# Allegro board 8880F5-0826_3.brd (continued)
## Routing (per net, layer and track width the routed paths; a pad name or vN(x,y) marks a point on that pad's centre or on a via; arc(x,y) is an arc through that point) (continued)
; 189.69,58.42 D119.B13 ; D119.B13 191.31,58.42 ; D119.B13 190.5,57.61 ; D119.B13 190.5,59.23 ; D116.A14 314.96,394.51 ; D116.A14 315.77,393.7 ; D116.A14 314.15,393.7 ; D116.A14 314.96,392.89 ; D106.A10 404.67,76.2 ; D106.A10 403.05,76.2 ; D106.A10 403.86,75.39 ; D106.A10 403.86,77.01 ; 93.17,81.28 D130.B4 ; D130.B4 93.98,80.47 ; D130.B4 94.79,81.28 ; D130.B4 93.98,82.09 ; 266.7,65.33 D322.A14 ; D322.A14 267.41,66.04 ; D322.A14 266.7,66.75 ; D322.A14 265.99,66.04 ; 329.49,91.44 D301.B10 ; D301.B10 330.2,90.73 ; D301.B10 330.2,92.15 ; D301.B10 330.91,91.44 ; 169.37,330.2 CSDPS229.C13 ; CSDPS229.C13 170.99,330.2 ; CSDPS229.C13 170.18,331.01 ; CSDPS229.C13 170.18,329.39 ; 258.27,340.36 CSDPS425.C7 ; CSDPS425.C7 259.89,340.36 ; CSDPS425.C7 259.08,341.17 ; CSDPS425.C7 259.08,339.55 ; D115.B6 335.28,369.11 ; D115.B6 334.47,368.3 ; D115.B6 336.09,368.3 ; D115.B6 335.28,367.49 ; 93.98,100.79 D129.B4 ; D129.B4 93.98,102.41 ; D129.B4 94.79,101.6 ; D129.B4 93.17,101.6 ; D114.A11 323.39,355.6 ; D114.A11 321.77,355.6 ; D114.A11 322.58,356.41 ; D114.A11 322.58,354.79 ; 398.78,55.07 D107.A8 ; D107.A8 397.97,55.88 ; D107.A8 399.59,55.88 ; D107.A8 398.78,56.69 ; D322.A6 247.09,66.04 ; D322.A6 245.67,66.04 ; D322.A6 246.38,65.33 ; D322.A6 246.38,66.75 ; 190.5,52.53 D119.A13 ; D119.A13 189.69,53.34 ; D119.A13 191.31,53.34 ; D119.A13 190.5,54.15 ; 249.85,241.33 SITE1.G3 ; SITE1.G3 250.81,241.33 ; SITE1.G3 250.33,241.81 ; SITE1.G3 250.33,240.85 ; 93.98,39.83 D132.B4 ; D132.B4 93.98,41.45 ; D132.B4 93.17,40.64 ; D132.B4 94.79,40.64 ; D305.B1 381.71,88.9 ; D305.B1 381,89.61 ; D305.B1 380.29,88.9 ; D305.B1 381,88.19 ; D108.A7 396.24,33.83 ; D108.A7 395.43,33.02 ; D108.A7 396.24,32.21 ; D108.A7 397.05,33.02 ; 324.31,60.96 D103.B8 ; D103.B8 325.12,60.15 ; D103.B8 325.93,60.96 ; D103.B8 325.12,61.77 ; 388.62,70.41 D306.B4 ; D306.B4 389.33,71.12 ; D306.B4 388.62,71.83 ; D306.B4 387.91,71.12 ; SITE1.G20 253.11,246.43 ; SITE1.G20 252.63,246.91 ; SITE1.G20 252.15,246.43 ; SITE1.G20 252.63,245.95 ; D130.B6 99.06,82.09 ; D130.B6 99.06,80.47 ; D130.B6 98.25,81.28 ; D130.B6 99.87,81.28 ; D305.B4 388.62,92.15 ; D305.B4 388.62,90.73 ; D305.B4 387.91,91.44 ; D305.B4 389.33,91.44 ; D108.A8 398.78,36.37 ; D108.A8 397.97,35.56 ; D108.A8 399.59,35.56 ; D108.A8 398.78,34.75 ; CSDPS229.C1 201.47,330.2 ; CSDPS229.C1 199.85,330.2 ; CSDPS229.C1 200.66,331.01 ; CSDPS229.C1 200.66,329.39 ; D125.B9 33.02,99.87 ; D125.B9 33.83,99.06 ; D125.B9 33.02,98.25 ; D125.B9 32.21,99.06 ; 335.28,75.39 D102.A12 ; D102.A12 336.09,76.2 ; D102.A12 334.47,76.2 ; D102.A12 335.28,77.01 ; D102.B5 317.5,79.55 ; D102.B5 318.31,78.74 ; D102.B5 316.69,78.74 ; D102.B5 317.5,77.93 ; D132.A15 121.92,33.83 ; D132.A15 121.92,32.21 ; D132.A15 122.73,33.02 ; D132.A15 121.11,33.02 ; 416.56,395.43 D112.A3 ; D112.A3 417.37,396.24 ; D112.A3 416.56,397.05 ; D112.A3 415.75,396.24 ; D115.B16 310.69,368.3 ; D115.B16 309.88,367.49 ; D115.B16 309.07,368.3 ; D115.B16 309.88,369.11 ; 416.56,375.11 D111.A3 ; D111.A3 417.37,375.92 ; D111.A3 416.56,376.73 ; D111.A3 415.75,375.92 ; D322.A1 233.68,64.21 ; D322.A1 232.97,63.5 ; D322.A1 234.39,63.5 ; D322.A1 233.68,62.79 ; D306.B1 381,69.29 ; D306.B1 381,67.87 ; D306.B1 380.29,68.58 ; D306.B1 381.71,68.58 ; 250.85,247.93 SITE1.G10 ; SITE1.G10 251.81,247.93 ; SITE1.G10 251.33,247.45 ; SITE1.G10 251.33,248.41 ; D125.A6 25.4,97.33 ; D125.A6 26.21,96.52 ; D125.A6 25.4,95.71 ; D125.A6 24.59,96.52 ; D109.B15 386.89,330.2 ; D109.B15 385.27,330.2 ; D109.B15 386.08,331.01 ; D109.B15 386.08,329.39 ; 251.43,185.95 SITE3.G19 ; SITE3.G19 251.43,186.91 ; SITE3.G19 250.95,186.43 ; SITE3.G19 251.91,186.43 ; D110.A13 391.97,355.6 ; D110.A13 391.16,356.41 ; D110.A13 390.35,355.6 ; D110.A13 391.16,354.79 ; D126.B12 41.45,81.28 ; D126.B12 40.64,82.09 ; D126.B12 39.83,81.28 ; D126.B12 40.64,80.47 ; 391.16,57.61 D107.B5 ; D107.B5 391.97,58.42 ; D107.B5 390.35,58.42 ; D107.B5 391.16,59.23 ; 327.66,72.85 D102.A9 ; D102.A9 327.66,74.47 ; D102.A9 326.85,73.66 ; D102.A9 328.47,73.66 ; 248.55,242.83 SITE1.G13 ; SITE1.G13 249.03,243.31 ; SITE1.G13 249.03,242.35 ; SITE1.G13 249.51,242.83 ; D113.B15 313.23,330.2 ; D113.B15 312.42,331.01 ; D113.B15 312.42,329.39 ; D113.B15 311.61,330.2 ; 47.45,58.42 D127.B15 ; D127.B15 48.26,59.23 ; D127.B15 48.26,57.61 ; D127.B15 49.07,58.42 ; 391.16,390.35 D112.B13 ; D112.B13 390.35,391.16 ; D112.B13 391.97,391.16 ; D112.B13 391.16,391.97 ; D124.A7 248.92,33.83 ; D124.A7 249.73,33.02 ; D124.A7 248.92,32.21 ; D124.A7 248.11,33.02 ; D321.A10 256.54,87.07 ; D321.A10 256.54,85.65 ; D321.A10 257.25,86.36 ; D321.A10 255.83,86.36 ; 159.31,63.5 D318.A1 ; D318.A1 160.73,63.5 ; D318.A1 160.02,64.21 ; D318.A1 160.02,62.79 ; D128.B8 31.29,40.64 ; D128.B8 30.48,41.45 ; D128.B8 30.48,39.83 ; D128.B8 29.67,40.64 ; 269.24,57.61 D123.B15 ; D123.B15 270.05,58.42 ; D123.B15 269.24,59.23 ; D123.B15 268.43,58.42 ; 111.76,37.29 D132.B11 ; D132.B11 112.57,38.1 ; D132.B11 111.76,38.91 ; D132.B11 110.95,38.1 ; D231.A4 193.04,374.19 ; D231.A4 192.23,373.38 ; D231.A4 193.04,372.57 ; D231.A4 193.85,373.38 ; D128.B3 17.78,38.91 ; D128.B3 17.78,37.29 ; D128.B3 18.59,38.1 ; D128.B3 16.97,38.1 ; D109.B16 384.35,327.66 ; D109.B16 383.54,326.85 ; D109.B16 382.73,327.66 ; D109.B16 383.54,328.47 ; 330.2,387.81 D116.B8 ; D116.B8 331.01,388.62 ; D116.B8 329.39,388.62 ; D116.B8 330.2,389.43 ; D431.A4 193.04,384.35 ; D431.A4 192.23,383.54 ; D431.A4 193.85,383.54 ; D431.A4 193.04,382.73 ; D119.B4 167.64,61.77 ; D119.B4 167.64,60.15 ; D119.B4 166.83,60.96 ; D119.B4 168.45,60.96 ; D128.B12 41.45,40.64 ; D128.B12 40.64,41.45 ; D128.B12 40.64,39.83 ; D128.B12 39.83,40.64 ; 161.75,332.74 CSDPS229.B16 ; CSDPS229.B16 162.56,331.93 ; CSDPS229.B16 163.37,332.74 ; CSDPS229.B16 162.56,333.55 ; D318.A6 173.43,66.04 ; D318.A6 172.72,65.33 ; D318.A6 172.01,66.04 ; D318.A6 172.72,66.75 ; 241.3,70.41 D322.B4 ; D322.B4 242.01,71.12 ; D322.B4 240.59,71.12 ; D322.B4 241.3,71.83 ; 100.79,58.42 D131.B7 ; D131.B7 101.6,57.61 ; D131.B7 101.6,59.23 ; D131.B7 102.41,58.42 ; D132.A10 109.22,36.37 ; D132.A10 110.03,35.56 ; D132.A10 108.41,35.56 ; D132.A10 109.22,34.75 ; 383.54,70.41 D306.B2 ; D306.B2 383.54,71.83 ; D306.B2 384.25,71.12 ; D306.B2 382.83,71.12 ; 326.85,78.74 D102.B9 ; D102.B9 327.66,77.93 ; D102.B9 328.47,78.74 ; D102.B9 327.66,79.55 ; 240.59,66.04 D322.A4 ; D322.A4 242.01,66.04 ; D322.A4 241.3,65.33 ; D322.A4 241.3,66.75 ; 233.68,67.87 D322.B1 ; D322.B1 232.97,68.58 ; D322.B1 233.68,69.29 ; D322.B1 234.39,68.58 ; D122.B14 266.7,82.09 ; D122.B14 266.7,80.47 ; D122.B14 267.51,81.28 ; D122.B14 265.89,81.28 ; D132.A6 99.87,35.56 ; D132.A6 98.25,35.56 ; D132.A6 99.06,36.37 ; D132.A6 99.06,34.75 ; 233.68,37.29 D124.B1 ; D124.B1 234.49,38.1 ; D124.B1 232.87,38.1 ; D124.B1 233.68,38.91 ; 170.18,52.53 D119.A5 ; D119.A5 170.99,53.34 ; D119.A5 170.18,54.15 ; D119.A5 169.37,53.34 ; 40.64,34.75 D128.A12 ; D128.A12 39.83,35.56 ; D128.A12 40.64,36.37 ; D128.A12 41.45,35.56 ; D115.A11 322.58,376.73 ; D115.A11 323.39,375.92 ; D115.A11 322.58,375.11 ; D115.A11 321.77,375.92 ; 255.73,55.88 D123.A10 ; D123.A10 257.35,55.88 ; D123.A10 256.54,56.69 ; D123.A10 256.54,55.07 ; D318.B14 193.75,71.12 ; D318.B14 192.33,71.12 ; D318.B14 193.04,71.83 ; D318.B14 193.04,70.41 ; CSDPS425.C15 238.76,341.17 ; CSDPS425.C15 237.95,340.36 ; CSDPS425.C15 238.76,339.55 ; CSDPS425.C15 239.57,340.36 ; D126.B11 38.1,79.55 ; D126.B11 37.29,78.74 ; D126.B11 38.91,78.74 ; D126.B11 38.1,77.93 ; D128.B5 23.67,38.1 ; D128.B5 22.05,38.1 ; D128.B5 22.86,37.29 ; D128.B5 22.86,38.91 ; 172.72,60.15 D119.B6 ; D119.B6 172.72,61.77 ; D119.B6 173.53,60.96 ; D119.B6 171.91,60.96 ; 258.27,58.42 D123.B11 ; D123.B11 259.08,59.23 ; D123.B11 259.89,58.42 ; D123.B11 259.08,57.61 ; 253.19,58.42 D123.B9 ; D123.B9 254,59.23 ; D123.B9 254,57.61 ; D123.B9 254.81,58.42 ; 401.32,57.61 D107.B9 ; D107.B9 400.51,58.42 ; D107.B9 401.32,59.23 ; D107.B9 402.13,58.42 ; D114.A5 338.63,355.6 ; D114.A5 337.82,356.41 ; D114.A5 337.01,355.6 ; D114.A5 337.82,354.79 ; 410.67,330.2 D109.B5 ; D109.B5 412.29,330.2 ; D109.B5 411.48,329.39 ; D109.B5 411.48,331.01 ; D302.A8 325.12,66.75 ; D302.A8 325.83,66.04 ; D302.A8 324.41,66.04 ; D302.A8 325.12,65.33 ; D110.A3 416.56,356.41 ; D110.A3 415.75,355.6 ; D110.A3 416.56,354.79 ; D110.A3 417.37,355.6 ; D130.B15 121.92,79.55 ; D130.B15 121.11,78.74 ; D130.B15 121.92,77.93 ; D130.B15 122.73,78.74 ; D115.B12 320.04,369.11 ; D115.B12 319.23,368.3 ; D115.B12 320.04,367.49 ; D115.B12 320.85,368.3 ; D106.B15 417.37,78.74 ; D106.B15 416.56,79.55 ; D106.B15 416.56,77.93 ; D106.B15 415.75,78.74 ; D103.A7 322.58,54.15 ; D103.A7 323.39,53.34 ; D103.A7 322.58,52.53 ; D103.A7 321.77,53.34 ; 340.36,372.57 D115.A4 ; D115.A4 340.36,374.19 ; D115.A4 339.55,373.38 ; D115.A4 341.17,373.38 ; D107.A7 396.24,54.15 ; D107.A7 396.24,52.53 ; D107.A7 397.05,53.34 ; D107.A7 395.43,53.34 ; 166.83,383.54 D431.A14 ; D431.A14 168.45,383.54 ; D431.A14 167.64,384.35 ; D431.A14 167.64,382.73 ; D103.B10 330.2,61.77 ; D103.B10 331.01,60.96 ; D103.B10 330.2,60.15 ; D103.B10 329.39,60.96 ; 192.23,55.88 D119.A14 ; D119.A14 193.04,56.69 ; D119.A14 193.04,55.07 ; D119.A14 193.85,55.88 ; D116.A5 337.82,397.05 ; D116.A5 337.01,396.24 ; D116.A5 337.82,395.43 ; D116.A5 338.63,396.24 ; 328.85,247.93 SITE2.G8 ; SITE2.G8 329.33,247.45 ; SITE2.G8 329.81,247.93 ; SITE2.G8 329.33,248.41 ; D301.A6 320.75,86.36 ; D301.A6 320.04,87.07 ; D301.A6 320.04,85.65 ; D301.A6 319.33,86.36 ; 401.32,77.93 D106.B9 ; D106.B9 400.51,78.74 ; D106.B9 402.13,78.74 ; D106.B9 401.32,79.55 ; D301.B1 308.05,88.9 ; D301.B1 307.34,89.61 ; D301.B1 307.34,88.19 ; D301.B1 306.63,88.9 ; 410.67,38.1 D108.B13 ; D108.B13 411.48,38.91 ; D108.B13 412.29,38.1 ; D108.B13 411.48,37.29 ; D125.A8 31.29,96.52 ; D125.A8 30.48,97.33 ; D125.A8 29.67,96.52 ; D125.A8 30.48,95.71 ; 391.16,18.24 DPS1.C05 ; DPS1.C05 390.35,19.05 ; DPS1.C05 391.16,19.86 ; DPS1.C05 391.97,19.05 ; D306.A3 386.08,64.21 ; D306.A3 386.79,63.5 ; D306.A3 386.08,62.79 ; D306.A3 385.37,63.5 ; 105.87,99.06 D129.B9 ; D129.B9 107.49,99.06 ; D129.B9 106.68,99.87 ; D129.B9 106.68,98.25 ; D113.A6 336.09,332.74 ; D113.A6 334.47,332.74 ; D113.A6 335.28,331.93 ; D113.A6 335.28,333.55 ; D104.A6 320.85,35.56 ; D104.A6 320.04,34.75 ; D104.A6 320.04,36.37 ; D104.A6 319.23,35.56 ; 116.84,52.53 D131.A13 ; D131.A13 117.65,53.34 ; D131.A13 116.84,54.15 ; D131.A13 116.03,53.34 ; 124.46,60.15 D131.B16 ; D131.B16 124.46,61.77 ; D131.B16 123.65,60.96 ; D131.B16 125.27,60.96 ; 179.53,370.84 D231.B9 ; D231.B9 181.15,370.84 ; D231.B9 180.34,370.03 ; D231.B9 180.34,371.65 ; 167.64,331.93 CSDPS229.B14 ; CSDPS229.B14 168.45,332.74 ; CSDPS229.B14 166.83,332.74 ; CSDPS229.B14 167.64,333.55 ; D111.B9 401.32,371.65 ; D111.B9 400.51,370.84 ; D111.B9 402.13,370.84 ; D111.B9 401.32,370.03 ; 342.9,52.53 D103.A15 ; D103.A15 343.71,53.34 ; D103.A15 342.09,53.34 ; D103.A15 342.9,54.15 ; 27.94,52.53 D127.A7 ; D127.A7 27.13,53.34 ; D127.A7 28.75,53.34 ; D127.A7 27.94,54.15 ; D120.A14 193.85,35.56 ; D120.A14 193.04,34.75 ; D120.A14 193.04,36.37 ; D120.A14 192.23,35.56 ; D113.A9 328.47,335.28 ; D113.A9 326.85,335.28 ; D113.A9 327.66,336.09 ; D113.A9 327.66,334.47 ; D111.B12 393.7,369.11 ; D111.B12 392.89,368.3 ; D111.B12 393.7,367.49 ; D111.B12 394.51,368.3 ; D321.A11 259.08,84.53 ; D321.A11 259.79,83.82 ; D321.A11 258.37,83.82 ; D321.A11 259.08,83.11 ; 421.64,329.39 D109.B1 ; D109.B1 422.45,330.2 ; D109.B1 420.83,330.2 ; D109.B1 421.64,331.01 ; D302.B15 343.61,68.58 ; D302.B15 342.9,69.29 ; D302.B15 342.19,68.58 ; D302.B15 342.9,67.87 ; D129.B2 88.9,102.41 ; D129.B2 88.9,100.79 ; D129.B2 89.71,101.6 ; D129.B2 88.09,101.6 ; 330.2,352.25 D114.A8 ; D114.A8 330.2,353.87 ; D114.A8 331.01,353.06 ; D114.A8 329.39,353.06 ; D108.A4 389.43,35.56 ; D108.A4 387.81,35.56 ; D108.A4 388.62,36.37 ; D108.A4 388.62,34.75 ; 327.85,241.33 SITE2.G1 ; SITE2.G1 328.33,240.85 ; SITE2.G1 328.81,241.33 ; SITE2.G1 328.33,241.81 ; D322.B5 244.55,68.58 ; D322.B5 243.84,67.87 ; D322.B5 243.13,68.58 ; D322.B5 243.84,69.29 ; D130.A12 114.3,77.01 ; D130.A12 113.49,76.2 ; D130.A12 114.3,75.39 ; D130.A12 115.11,76.2 ; D306.A4 388.62,66.75 ; D306.A4 388.62,65.33 ; D306.A4 387.91,66.04 ; D306.A4 389.33,66.04 ; 176.99,40.64 D120.B8 ; D120.B8 177.8,39.83 ; D120.B8 177.8,41.45 ; D120.B8 178.61,40.64 ; D106.A13 412.29,73.66 ; D106.A13 411.48,72.85 ; D106.A13 410.67,73.66 ; D106.A13 411.48,74.47 ; D110.B8 403.86,348.79 ; D110.B8 403.86,347.17 ; D110.B8 404.67,347.98 ; D110.B8 403.05,347.98 ; SITE2.G16 332.63,243.31 ; SITE2.G16 332.63,242.35 ; SITE2.G16 332.15,242.83 ; SITE2.G16 333.11,242.83 ; 49.99,55.88 D127.A16 ; D127.A16 50.8,55.07 ; D127.A16 51.61,55.88 ; D127.A16 50.8,56.69 ; D306.B3 386.08,69.29 ; D306.B3 385.37,68.58 ; D306.B3 386.79,68.58 ; D306.B3 386.08,67.87 ; D108.B9 402.13,38.1 ; D108.B9 401.32,37.29 ; D108.B9 401.32,38.91 ; D108.B9 400.51,38.1 ; 265.89,76.2 D122.A14 ; D122.A14 266.7,77.01 ; D122.A14 267.51,76.2 ; D122.A14 266.7,75.39 ; 332.33,247.45 SITE2.G11 ; SITE2.G11 332.33,248.41 ; SITE2.G11 332.81,247.93 ; SITE2.G11 331.85,247.93 ; 252.33,187.45 SITE3.G11 ; SITE3.G11 251.85,187.93 ; SITE3.G11 252.81,187.93 ; SITE3.G11 252.33,188.41 ; D114.B14 315.77,347.98 ; D114.B14 314.96,348.79 ; D114.B14 314.15,347.98 ; D114.B14 314.96,347.17 ; D125.A16 50.8,97.33 ; D125.A16 51.61,96.52 ; D125.A16 50.8,95.71 ; D125.A16 49.99,96.52 ; 380.19,33.02 D108.A1 ; D108.A1 381,32.21 ; D108.A1 381.81,33.02 ; D108.A1 381,33.83 ; 332.74,354.79 D114.A7 ; D114.A7 331.93,355.6 ; D114.A7 332.74,356.41 ; D114.A7 333.55,355.6 ; 250.75,91.44 D321.B8 ; D321.B8 252.17,91.44 ; D321.B8 251.46,92.15 ; D321.B8 251.46,90.73 ; D125.B3 18.59,99.06 ; D125.B3 17.78,99.87 ; D125.B3 17.78,98.25 ; D125.B3 16.97,99.06 ; D102.B6 320.85,81.28 ; D102.B6 320.04,82.09 ; D102.B6 319.23,81.28 ; D102.B6 320.04,80.47 ; D109.A15 386.89,335.28 ; D109.A15 386.08,336.09 ; D109.A15 385.27,335.28 ; D109.A15 386.08,334.47 ; D305.B3 386.79,88.9 ; D305.B3 386.08,89.61 ; D305.B3 386.08,88.19 ; D305.B3 385.37,88.9 ; 335.28,34.75 D104.A12 ; D104.A12 334.47,35.56 ; D104.A12 336.09,35.56 ; D104.A12 335.28,36.37 ; D128.B13 43.99,38.1 ; D128.B13 43.18,37.29 ; D128.B13 42.37,38.1 ; D128.B13 43.18,38.91 ; D116.A4 340.36,394.51 ; D116.A4 339.55,393.7 ; D116.A4 341.17,393.7 ; D116.A4 340.36,392.89 ; DPS2.C05 337.82,411.02 ; DPS2.C05 338.63,410.21 ; DPS2.C05 337.82,409.4 ; DPS2.C05 337.01,410.21 ; D125.B16 51.61,101.6 ; D125.B16 49.99,101.6 ; D125.B16 50.8,100.79 ; D125.B16 50.8,102.41 ; 182.17,66.04 D318.A10 ; D318.A10 182.88,66.75 ; D318.A10 183.59,66.04 ; D318.A10 182.88,65.33 ; 416.56,72.85 D106.A15 ; D106.A15 416.56,74.47 ; D106.A15 415.75,73.66 ; D106.A15 417.37,73.66 ; D110.A6 409.75,353.06 ; D110.A6 408.13,353.06 ; D110.A6 408.94,352.25 ; D110.A6 408.94,353.87 ; 248.92,339.55 CSDPS425.C11 ; CSDPS425.C11 248.92,341.17 ; CSDPS425.C11 249.73,340.36 ; CSDPS425.C11 248.11,340.36 ; SITE2.G7 328.33,248.41 ; SITE2.G7 328.81,247.93 ; SITE2.G7 327.85,247.93 ; SITE2.G7 328.33,247.45 ; D107.A15 417.37,53.34 ; D107.A15 416.56,52.53 ; D107.A15 416.56,54.15 ; D107.A15 415.75,53.34 ; D123.A4 242.11,55.88 ; D123.A4 240.49,55.88 ; D123.A4 241.3,56.69 ; D123.A4 241.3,55.07 ; D301.B4 315.67,91.44 ; D301.B4 314.96,92.15 ; D301.B4 314.96,90.73 ; D301.B4 314.25,91.44 ; CSDPS229.C7 185.42,331.01 ; CSDPS229.C7 184.61,330.2 ; CSDPS229.C7 185.42,329.39 ; CSDPS229.C7 186.23,330.2 ; D111.B2 419.91,368.3 ; D111.B2 419.1,367.49 ; D111.B2 418.29,368.3 ; D111.B2 419.1,369.11 ; 119.38,75.39 D130.A14 ; D130.A14 118.57,76.2 ; D130.A14 120.19,76.2 ; D130.A14 119.38,77.01 ; UNK2U2.4 483.43,214.94 ; UNK2U2.4 482.49,214 ; UNK2U2.4 482.49,215.88 ; UNK2U2.4 481.55,214.94 ; 177.8,342.09 CSDPS429.B10 ; CSDPS429.B10 177.8,343.71 ; CSDPS429.B10 176.99,342.9 ; CSDPS429.B10 178.61,342.9 ; 175.26,88.19 D317.B7 ; D317.B7 174.55,88.9 ; D317.B7 175.26,89.61 ; D317.B7 175.97,88.9 ; D108.A2 383.54,36.37 ; D108.A2 383.54,34.75 ; D108.A2 384.35,35.56 ; D108.A2 382.73,35.56 ; 12.7,77.93 D126.B1 ; D126.B1 11.89,78.74 ; D126.B1 13.51,78.74 ; D126.B1 12.7,79.55 ; D110.A2 419.91,353.06 ; D110.A2 419.1,353.87 ; D110.A2 419.1,352.25 ; D110.A2 418.29,353.06 ; 182.07,35.56 D120.A10 ; D120.A10 182.88,36.37 ; D120.A10 183.69,35.56 ; D120.A10 182.88,34.75 ; 165.1,57.61 D119.B3 ; D119.B3 165.1,59.23 ; D119.B3 164.29,58.42 ; D119.B3 165.91,58.42 ; 386.08,83.11 D305.A3 ; D305.A3 386.79,83.82 ; D305.A3 386.08,84.53 ; D305.A3 385.37,83.82 ; 161.85,71.12 D318.B2 ; D318.B2 163.27,71.12 ; D318.B2 162.56,71.83 ; D318.B2 162.56,70.41 ; 314.96,367.49 D115.B14 ; D115.B14 315.77,368.3 ; D115.B14 314.96,369.11 ; D115.B14 314.15,368.3 ; 408.13,35.56 D108.A12 ; D108.A12 408.94,36.37 ; D108.A12 408.94,34.75 ; D108.A12 409.75,35.56 ; D124.A11 259.89,33.02 ; D124.A11 259.08,32.21 ; D124.A11 259.08,33.83 ; D124.A11 258.27,33.02 ; D301.A15 342.9,84.53 ; D301.A15 342.9,83.11 ; D301.A15 343.61,83.82 ; D301.A15 342.19,83.82 ; 400.51,375.92 D111.A9 ; D111.A9 401.32,376.73 ; D111.A9 402.13,375.92 ; D111.A9 401.32,375.11 ; SITE4.G9 330.33,188.41 ; SITE4.G9 330.33,187.45 ; SITE4.G9 330.81,187.93 ; SITE4.G9 329.85,187.93 ; 170.18,67.87 D318.B5 ; D318.B5 170.89,68.58 ; D318.B5 170.18,69.29 ; D318.B5 169.47,68.58 ; D116.B13 317.5,391.97 ; D116.B13 317.5,390.35 ; D116.B13 316.69,391.16 ; D116.B13 318.31,391.16 ; 187.15,368.3 D231.B6 ; D231.B6 187.96,367.49 ; D231.B6 187.96,369.11 ; D231.B6 188.77,368.3 ; D108.B7 396.24,38.91 ; D108.B7 397.05,38.1 ; D108.B7 395.43,38.1 ; D108.B7 396.24,37.29 ; 169.37,381 D431.B13 ; D431.B13 170.18,381.81 ; D431.B13 170.18,380.19 ; D431.B13 170.99,381 ; D120.A5 170.99,33.02 ; D120.A5 169.37,33.02 ; D120.A5 170.18,33.83 ; D120.A5 170.18,32.21 ; D431.B8 182.88,379.27 ; D431.B8 183.69,378.46 ; D431.B8 182.88,377.65 ; D431.B8 182.07,378.46 ; 180.34,88.19 D317.B9 ; D317.B9 181.05,88.9 ; D317.B9 180.34,89.61 ; D317.B9 179.63,88.9 ; D129.B13 116.84,99.87 ; D129.B13 116.03,99.06 ; D129.B13 116.84,98.25 ; D129.B13 117.65,99.06 ; D305.B16 419.1,92.15 ; D305.B16 418.39,91.44 ; D305.B16 419.81,91.44 ; D305.B16 419.1,90.73 ; D115.B7 332.74,371.65 ; D115.B7 331.93,370.84 ; D115.B7 333.55,370.84 ; D115.B7 332.74,370.03 ; D318.B6 172.72,71.83 ; D318.B6 172.01,71.12 ; D318.B6 173.43,71.12 ; D318.B6 172.72,70.41 ; D302.B3 313.13,68.58 ; D302.B3 312.42,67.87 ; D302.B3 312.42,69.29 ; D302.B3 311.71,68.58 ; D112.B8 404.67,388.62 ; D112.B8 403.05,388.62 ; D112.B8 403.86,387.81 ; D112.B8 403.86,389.43 ; CSDPS229.B6 188.77,332.74 ; CSDPS229.B6 187.96,333.55 ; CSDPS229.B6 187.15,332.74 ; CSDPS229.B6 187.96,331.93 ; D103.A6 320.04,56.69 ; D103.A6 320.85,55.88 ; D103.A6 319.23,55.88 ; D103.A6 320.04,55.07 ; CSDPS429.C7 185.42,341.17 ; CSDPS429.C7 184.61,340.36 ; CSDPS429.C7 185.42,339.55 ; CSDPS429.C7 186.23,340.36 ; 309.88,34.75 D104.A2 ; D104.A2 309.07,35.56 ; D104.A2 310.69,35.56 ; D104.A2 309.88,36.37 ; D431.B16 162.56,379.27 ; D431.B16 162.56,377.65 ; D431.B16 163.37,378.46 ; D431.B16 161.75,378.46 ; D131.A12 114.3,56.69 ; D131.A12 113.49,55.88 ; D131.A12 114.3,55.07 ; D131.A12 115.11,55.88 ; D431.A12 172.72,384.35 ; D431.A12 173.53,383.54 ; D431.A12 172.72,382.73 ; D431.A12 171.91,383.54 ; D116.A11 323.39,396.24 ; D116.A11 322.58,395.43 ; D116.A11 321.77,396.24 ; D116.A11 322.58,397.05 ; 418.29,81.28 D106.B16 ; D106.B16 419.1,82.09 ; D106.B16 419.91,81.28 ; D106.B16 419.1,80.47 ; 175.26,32.21 D120.A7 ; D120.A7 174.45,33.02 ; D120.A7 176.07,33.02 ; D120.A7 175.26,33.83 ; D114.B1 347.98,351.33 ; D114.B1 347.17,350.52 ; D114.B1 347.98,349.71 ; D114.B1 348.79,350.52 ; D131.A8 104.95,55.88 ; D131.A8 104.14,55.07 ; D131.A8 104.14,56.69 ; D131.A8 103.33,55.88 ; 263.45,83.82 D321.A13 ; D321.A13 264.87,83.82 ; D321.A13 264.16,84.53 ; D321.A13 264.16,83.11 ; D317.A11 186.13,83.82 ; D317.A11 185.42,84.53 ; D317.A11 185.42,83.11 ; D317.A11 184.71,83.82 ; 116.03,33.02 D132.A13 ; D132.A13 117.65,33.02 ; D132.A13 116.84,33.83 ; D132.A13 116.84,32.21 ; 330.2,34.75 D104.A10 ; D104.A10 331.01,35.56 ; D104.A10 330.2,36.37 ; D104.A10 329.39,35.56 ; D125.A15 49.07,93.98 ; D125.A15 47.45,93.98 ; D125.A15 48.26,93.17 ; D125.A15 48.26,94.79 ; 124.46,39.83 D132.B16 ; D132.B16 123.65,40.64 ; D132.B16 124.46,41.45 ; D132.B16 125.27,40.64 ; D103.A2 309.88,56.69 ; D103.A2 309.07,55.88 ; D103.A2 309.88,55.07 ; D103.A2 310.69,55.88 ; 382.73,373.38 D111.A16 ; D111.A16 384.35,373.38 ; D111.A16 383.54,372.57 ; D111.A16 383.54,374.19 ; 174.55,83.82 D317.A7 ; D317.A7 175.26,84.53 ; D317.A7 175.26,83.11 ; D317.A7 175.97,83.82 ; 98.25,76.2 D130.A6 ; D130.A6 99.06,75.39 ; D130.A6 99.87,76.2 ; D130.A6 99.06,77.01 ; D123.B5 244.65,58.42 ; D123.B5 243.84,59.23 ; D123.B5 243.84,57.61 ; D123.B5 243.03,58.42 ; D129.A8 104.95,96.52 ; D129.A8 104.14,95.71 ; D129.A8 103.33,96.52 ; D129.A8 104.14,97.33 ; D126.B6 26.21,81.28 ; D126.B6 24.59,81.28 ; D126.B6 25.4,82.09 ; D126.B6 25.4,80.47 ; CSDPS225.C5 264.97,330.2 ; CSDPS225.C5 263.35,330.2 ; CSDPS225.C5 264.16,331.01 ; CSDPS225.C5 264.16,329.39 ; D124.A16 271.78,36.37 ; D124.A16 272.59,35.56 ; D124.A16 270.97,35.56 ; D124.A16 271.78,34.75 ; D301.B9 327.66,89.61 ; D301.B9 326.95,88.9 ; D301.B9 328.37,88.9 ; D301.B9 327.66,88.19 ; D109.B13 391.97,330.2 ; D109.B13 391.16,329.39 ; D109.B13 390.35,330.2 ; D109.B13 391.16,331.01 ; D130.B10 110.03,81.28 ; D130.B10 108.41,81.28 ; D130.B10 109.22,82.09 ; D130.B10 109.22,80.47 ; 111.76,57.61 D131.B11 ; D131.B11 112.57,58.42 ; D131.B11 111.76,59.23 ; D131.B11 110.95,58.42 ; 344.63,35.56 D104.A16 ; D104.A16 346.25,35.56 ; D104.A16 345.44,34.75 ; D104.A16 345.44,36.37 ; D306.A15 416.56,64.21 ; D306.A15 415.85,63.5 ; D306.A15 417.27,63.5 ; D306.A15 416.56,62.79 ; D431.B2 198.12,379.27 ; D431.B2 198.12,377.65 ; D431.B2 198.93,378.46 ; D431.B2 197.31,378.46 ; 321.77,335.28 D113.A11 ; D113.A11 323.39,335.28 ; D113.A11 322.58,334.47 ; D113.A11 322.58,336.09 ; D129.A14 119.38,97.33 ; D129.A14 118.57,96.52 ; D129.A14 120.19,96.52 ; D129.A14 119.38,95.71 ; 159.21,53.34 D119.A1 ; D119.A1 160.02,52.53 ; D119.A1 160.02,54.15 ; D119.A1 160.83,53.34 ; D119.A3 165.91,53.34 ; D119.A3 165.1,52.53 ; D119.A3 165.1,54.15 ; D119.A3 164.29,53.34 ; 238.76,57.61 D123.B3 ; D123.B3 238.76,59.23 ; D123.B3 237.95,58.42 ; D123.B3 239.57,58.42 ; D305.B2 383.54,92.15 ; D305.B2 384.25,91.44 ; D305.B2 383.54,90.73 ; D305.B2 382.83,91.44 ; D306.A2 383.54,66.75 ; D306.A2 384.25,66.04 ; D306.A2 383.54,65.33 ; D306.A2 382.83,66.04 ; DPS1.A11 406.4,14.78 ; DPS1.A11 406.4,13.16 ; DPS1.A11 405.59,13.97 ; DPS1.A11 407.21,13.97 ; 194.77,78.74 D118.B15 ; D118.B15 196.39,78.74 ; D118.B15 195.58,79.55 ; D118.B15 195.58,77.93 ; D302.A14 340.36,66.75 ; D302.A14 339.65,66.04 ; D302.A14 341.07,66.04 ; D302.A14 340.36,65.33 ; D130.A15 121.92,74.47 ; D130.A15 121.11,73.66 ; D130.A15 122.73,73.66 ; D130.A15 121.92,72.85 ; 403.86,392.89 D112.A8 ; D112.A8 403.05,393.7 ; D112.A8 404.67,393.7 ; D112.A8 403.86,394.51 ; 22.05,53.34 D127.A5 ; D127.A5 23.67,53.34 ; D127.A5 22.86,52.53 ; D127.A5 22.86,54.15 ; 268.53,88.9 D321.B15 ; D321.B15 269.24,89.61 ; D321.B15 269.95,88.9 ; D321.B15 269.24,88.19 ; 45.72,39.83 D128.B14 ; D128.B14 45.72,41.45 ; D128.B14 46.53,40.64 ; D128.B14 44.91,40.64 ; 166.93,66.04 D318.A4 ; D318.A4 167.64,66.75 ; D318.A4 167.64,65.33 ; D318.A4 168.35,66.04 ; 164.39,63.5 D318.A3 ; D318.A3 165.1,64.21 ; D318.A3 165.1,62.79 ; D318.A3 165.81,63.5 ; D124.A13 264.97,33.02 ; D124.A13 264.16,32.21 ; D124.A13 264.16,33.83 ; D124.A13 263.35,33.02 ; 391.16,67.87 D306.B5 ; D306.B5 391.16,69.29 ; D306.B5 391.87,68.58 ; D306.B5 390.45,68.58 ; 187.15,35.56 D120.A12 ; D120.A12 187.96,34.75 ; D120.A12 188.77,35.56 ; D120.A12 187.96,36.37 ; 401.32,390.35 D112.B9 ; D112.B9 402.13,391.16 ; D112.B9 400.51,391.16 ; D112.B9 401.32,391.97 ; 15.24,80.47 D126.B2 ; D126.B2 14.43,81.28 ; D126.B2 16.05,81.28 ; D126.B2 15.24,82.09 ; D130.B5 96.52,79.55 ; D130.B5 95.71,78.74 ; D130.B5 96.52,77.93 ; D130.B5 97.33,78.74 ; SITE1.G1 248.33,241.81 ; SITE1.G1 247.85,241.33 ; SITE1.G1 248.33,240.85 ; SITE1.G1 248.81,241.33 ; D123.B10 256.54,61.77 ; D123.B10 256.54,60.15 ; D123.B10 255.73,60.96 ; D123.B10 257.35,60.96 ; D113.A2 345.44,333.55 ; D113.A2 346.25,332.74 ; D113.A2 344.63,332.74 ; D113.A2 345.44,331.93 ; D317.A12 187.96,87.07 ; D317.A12 188.67,86.36 ; D317.A12 187.25,86.36 ; D317.A12 187.96,85.65 ; D302.A11 333.45,63.5 ; D302.A11 332.03,63.5 ; D302.A11 332.74,64.21 ; D302.A11 332.74,62.79 ; 104.14,100.79 D129.B8 ; D129.B8 104.95,101.6 ; D129.B8 103.33,101.6 ; D129.B8 104.14,102.41 ; 317.5,67.87 D302.B5 ; D302.B5 316.79,68.58 ; D302.B5 318.21,68.58 ; D302.B5 317.5,69.29 ; D126.B15 48.26,79.55 ; D126.B15 49.07,78.74 ; D126.B15 48.26,77.93 ; D126.B15 47.45,78.74 ; 100.79,53.34 D131.A7 ; D131.A7 101.6,52.53 ; D131.A7 101.6,54.15 ; D131.A7 102.41,53.34 ; D322.B7 249.63,68.58 ; D322.B7 248.21,68.58 ; D322.B7 248.92,69.29 ; D322.B7 248.92,67.87 ; D301.B14 340.36,92.15 ; D301.B14 340.36,90.73 ; D301.B14 339.65,91.44 ; D301.B14 341.07,91.44 ; D322.A10 256.54,66.75 ; D322.A10 257.25,66.04 ; D322.A10 255.83,66.04 ; D322.A10 256.54,65.33 ; 387.81,347.98 D110.B14 ; D110.B14 388.62,348.79 ; D110.B14 389.43,347.98 ; D110.B14 388.62,347.17 ; D305.B15 417.27,88.9 ; D305.B15 416.56,88.19 ; D305.B15 415.85,88.9 ; D305.B15 416.56,89.61 ; D231.B10 178.61,368.3 ; D231.B10 177.8,367.49 ; D231.B10 177.8,369.11 ; D231.B10 176.99,368.3 ; D102.B8 325.93,81.28 ; D102.B8 324.31,81.28 ; D102.B8 325.12,80.47 ; D102.B8 325.12,82.09 ; 121.11,93.98 D129.A15 ; D129.A15 121.92,94.79 ; D129.A15 121.92,93.17 ; D129.A15 122.73,93.98 ; 306.63,68.58 D302.B1 ; D302.B1 307.34,67.87 ; D302.B1 307.34,69.29 ; D302.B1 308.05,68.58 ; D114.B8 330.2,348.79 ; D114.B8 331.01,347.98 ; D114.B8 329.39,347.98 ; D114.B8 330.2,347.17 ; 116.03,73.66 D130.A13 ; D130.A13 116.84,74.47 ; D130.A13 117.65,73.66 ; D130.A13 116.84,72.85 ; D104.B3 312.42,38.91 ; D104.B3 312.42,37.29 ; D104.B3 313.23,38.1 ; D104.B3 311.61,38.1 ; D107.B8 398.78,61.77 ; D107.B8 398.78,60.15 ; D107.B8 399.59,60.96 ; D107.B8 397.97,60.96 ; D109.A14 388.62,333.55 ; D109.A14 387.81,332.74 ; D109.A14 388.62,331.93 ; D109.A14 389.43,332.74 ; D129.B6 99.06,102.41 ; D129.B6 99.87,101.6 ; D129.B6 99.06,100.79 ; D129.B6 98.25,101.6 ; 393.7,55.07 D107.A6 ; D107.A6 393.7,56.69 ; D107.A6 394.51,55.88 ; D107.A6 392.89,55.88 ; D112.B4 414.83,388.62 ; D112.B4 414.02,387.81 ; D112.B4 413.21,388.62 ; D112.B4 414.02,389.43 ; 246.38,34.75 D124.A6 ; D124.A6 246.38,36.37 ; D124.A6 245.57,35.56 ; D124.A6 247.19,35.56 ; D127.A3 17.78,54.15 ; D127.A3 16.97,53.34 ; D127.A3 18.59,53.34 ; D127.A3 17.78,52.53 ; D322.B11 259.08,69.29 ; D322.B11 259.08,67.87 ; D322.B11 258.37,68.58 ; D322.B11 259.79,68.58 ; 401.32,52.53 D107.A9 ; D107.A9 401.32,54.15 ; D107.A9 400.51,53.34 ; D107.A9 402.13,53.34 ; D103.B1 307.34,59.23 ; D103.B1 308.15,58.42 ; D103.B1 307.34,57.61 ; D103.B1 306.53,58.42 ; D322.B13 264.87,68.58 ; D322.B13 264.16,69.29 ; D322.B13 263.45,68.58 ; D322.B13 264.16,67.87 ; D317.B15 195.58,89.61 ; D317.B15 196.29,88.9 ; D317.B15 195.58,88.19 ; D317.B15 194.87,88.9 ; SITE4.G19 331.91,186.43 ; SITE4.G19 331.43,186.91 ; SITE4.G19 330.95,186.43 ; SITE4.G19 331.43,185.95 ; 171.91,55.88 D119.A6 ; D119.A6 172.72,56.69 ; D119.A6 172.72,55.07 ; D119.A6 173.53,55.88 ; D127.B6 25.4,61.77 ; D127.B6 24.59,60.96 ; D127.B6 26.21,60.96 ; D127.B6 25.4,60.15 ; 418.29,55.88 D107.A16 ; D107.A16 419.1,56.69 ; D107.A16 419.1,55.07 ; D107.A16 419.91,55.88 ; 159.21,33.02 D120.A1 ; D120.A1 160.83,33.02 ; D120.A1 160.02,32.21 ; D120.A1 160.02,33.83 ; 235.51,86.36 D321.A2 ; D321.A2 236.22,85.65 ; D321.A2 236.22,87.07 ; D321.A2 236.93,86.36 ; D107.B11 407.21,58.42 ; D107.B11 406.4,57.61 ; D107.B11 405.59,58.42 ; D107.B11 406.4,59.23 ; D123.A1 233.68,54.15 ; D123.A1 232.87,53.34 ; D123.A1 233.68,52.53 ; D123.A1 234.49,53.34 ; 197.31,55.88 D119.A16 ; D119.A16 198.12,55.07 ; D119.A16 198.93,55.88 ; D119.A16 198.12,56.69 ; 339.55,81.28 D102.B14 ; D102.B14 341.17,81.28 ; D102.B14 340.36,80.47 ; D102.B14 340.36,82.09 ; 100.79,38.1 D132.B7 ; D132.B7 101.6,37.29 ; D132.B7 101.6,38.91 ; D132.B7 102.41,38.1 ; D127.B14 46.53,60.96 ; D127.B14 45.72,60.15 ; D127.B14 44.91,60.96 ; D127.B14 45.72,61.77 ; D103.B7 322.58,59.23 ; D103.B7 321.77,58.42 ; D103.B7 322.58,57.61 ; D103.B7 323.39,58.42 ; D305.B9 401.32,89.61 ; D305.B9 401.32,88.19 ; D305.B9 402.03,88.9 ; D305.B9 400.61,88.9 ; D431.A13 170.99,386.08 ; D431.A13 169.37,386.08 ; D431.A13 170.18,385.27 ; D431.A13 170.18,386.89 ; 420.83,350.52 D110.B1 ; D110.B1 421.64,349.71 ; D110.B1 422.45,350.52 ; D110.B1 421.64,351.33 ; 121.11,38.1 D132.B15 ; D132.B15 122.73,38.1 ; D132.B15 121.92,38.91 ; D132.B15 121.92,37.29 ; 179.53,53.34 D119.A9 ; D119.A9 180.34,54.15 ; D119.A9 181.15,53.34 ; D119.A9 180.34,52.53 ; D115.A8 330.2,374.19 ; D115.A8 330.2,372.57 ; D115.A8 331.01,373.38 ; D115.A8 329.39,373.38 ; 321.77,410.21 DPS2.C11 ; DPS2.C11 322.58,409.4 ; DPS2.C11 323.39,410.21 ; DPS2.C11 322.58,411.02 ; 403.86,80.47 D106.B10 ; D106.B10 404.67,81.28 ; D106.B10 403.05,81.28 ; D106.B10 403.86,82.09 ; 162.56,80.47 D118.B2 ; D118.B2 161.75,81.28 ; D118.B2 162.56,82.09 ; D118.B2 163.37,81.28 ; 419.1,326.85 D109.B2 ; D109.B2 419.91,327.66 ; D109.B2 418.29,327.66 ; D109.B2 419.1,328.47 ; 419.1,392.89 D112.A2 ; D112.A2 419.91,393.7 ; D112.A2 418.29,393.7 ; D112.A2 419.1,394.51 ; 269.24,32.21 D124.A15 ; D124.A15 269.24,33.83 ; D124.A15 268.43,33.02 ; D124.A15 270.05,33.02 ; 121.92,57.61 D131.B15 ; D131.B15 122.73,58.42 ; D131.B15 121.92,59.23 ; D131.B15 121.11,58.42 ; D125.A12 41.45,96.52 ; D125.A12 40.64,95.71 ; D125.A12 40.64,97.33 ; D125.A12 39.83,96.52 ; D318.B15 195.58,69.29 ; D318.B15 194.87,68.58 ; D318.B15 195.58,67.87 ; D318.B15 196.29,68.58 ; 185.42,67.87 D318.B11 ; D318.B11 186.13,68.58 ; D318.B11 185.42,69.29 ; D318.B11 184.71,68.58 ; D111.B4 414.83,368.3 ; D111.B4 414.02,367.49 ; D111.B4 413.21,368.3 ; D111.B4 414.02,369.11 ; SITE4.G14 330.71,182.83 ; SITE4.G14 330.23,183.31 ; SITE4.G14 330.23,182.35 ; SITE4.G14 329.75,182.83 ; D112.A1 422.45,396.24 ; D112.A1 420.83,396.24 ; D112.A1 421.64,397.05 ; D112.A1 421.64,395.43 ; D112.B7 407.21,391.16 ; D112.B7 405.59,391.16 ; D112.B7 406.4,391.97 ; D112.B7 406.4,390.35 ; 200.66,385.27 D431.A1 ; D431.A1 201.47,386.08 ; D431.A1 200.66,386.89 ; D431.A1 199.85,386.08 ; D305.A1 381.71,83.82 ; D305.A1 380.29,83.82 ; D305.A1 381,84.53 ; D305.A1 381,83.11 ; 312.42,395.43 D116.A15 ; D116.A15 311.61,396.24 ; D116.A15 313.23,396.24 ; D116.A15 312.42,397.05 ; D112.A12 394.51,393.7 ; D112.A12 393.7,392.89 ; D112.A12 393.7,394.51 ; D112.A12 392.89,393.7 ; 240.59,86.36 D321.A4 ; D321.A4 242.01,86.36 ; D321.A4 241.3,87.07 ; D321.A4 241.3,85.65 ; 401.32,32.21 D108.A9 ; D108.A9 400.51,33.02 ; D108.A9 401.32,33.83 ; D108.A9 402.13,33.02 ; D120.A3 165.1,33.83 ; D120.A3 164.29,33.02 ; D120.A3 165.1,32.21 ; D120.A3 165.91,33.02 ; D116.A7 333.55,396.24 ; D116.A7 332.74,395.43 ; D116.A7 332.74,397.05 ; D116.A7 331.93,396.24 ; D118.A11 185.42,74.47 ; D118.A11 184.61,73.66 ; D118.A11 185.42,72.85 ; D118.A11 186.23,73.66 ; 326.85,370.84 D115.B9 ; D115.B9 328.47,370.84 ; D115.B9 327.66,371.65 ; D115.B9 327.66,370.03 ; 383.54,39.83 D108.B2 ; D108.B2 382.73,40.64 ; D108.B2 384.35,40.64 ; D108.B2 383.54,41.45 ; 324.31,388.62 D116.B10 ; D116.B10 325.12,389.43 ; D116.B10 325.93,388.62 ; D116.B10 325.12,387.81 ; D318.B12 187.96,71.83 ; D318.B12 188.67,71.12 ; D318.B12 187.25,71.12 ; D318.B12 187.96,70.41 ; DPS8.C15 165.91,410.21 ; DPS8.C15 165.1,411.02 ; DPS8.C15 164.29,410.21 ; DPS8.C15 165.1,409.4 ; 246.38,90.73 D321.B6 ; D321.B6 247.09,91.44 ; D321.B6 246.38,92.15 ; D321.B6 245.67,91.44 ; D131.A1 86.36,54.15 ; D131.A1 85.55,53.34 ; D131.A1 86.36,52.53 ; D131.A1 87.17,53.34 ; D129.B10 109.22,102.41 ; D129.B10 109.22,100.79 ; D129.B10 108.41,101.6 ; D129.B10 110.03,101.6 ; U2.4 98.08,219.15 ; U2.4 97.14,218.21 ; U2.4 97.14,220.09 ; U2.4 96.2,219.15 ; 418.29,347.98 D110.B2 ; D110.B2 419.1,348.79 ; D110.B2 419.91,347.98 ; D110.B2 419.1,347.17 ; 88.9,55.07 D131.A2 ; D131.A2 88.9,56.69 ; D131.A2 88.09,55.88 ; D131.A2 89.71,55.88 ; 193.04,90.73 D317.B14 ; D317.B14 193.75,91.44 ; D317.B14 193.04,92.15 ; D317.B14 192.33,91.44 ; D122.A4 241.3,77.01 ; D122.A4 240.49,76.2 ; D122.A4 241.3,75.39 ; D122.A4 242.11,76.2 ; D106.B11 407.21,78.74 ; D106.B11 406.4,77.93 ; D106.B11 406.4,79.55 ; D106.B11 405.59,78.74 ; 320.04,392.89 D116.A12 ; D116.A12 319.23,393.7 ; D116.A12 320.85,393.7 ; D116.A12 320.04,394.51 ; 270.97,60.96 D123.B16 ; D123.B16 271.78,60.15 ; D123.B16 271.78,61.77 ; D123.B16 272.59,60.96 ; 199.85,381 D431.B1 ; D431.B1 201.47,381 ; D431.B1 200.66,381.81 ; D431.B1 200.66,380.19 ; 100.79,78.74 D130.B7 ; D130.B7 101.6,79.55 ; D130.B7 101.6,77.93 ; D130.B7 102.41,78.74 ; D317.A1 160.02,84.53 ; D317.A1 160.02,83.11 ; D317.A1 159.31,83.82 ; D317.A1 160.73,83.82 ; D302.B10 330.91,71.12 ; D302.B10 330.2,71.83 ; D302.B10 330.2,70.41 ; D302.B10 329.49,71.12 ; D110.B5 411.48,351.33 ; D110.B5 411.48,349.71 ; D110.B5 412.29,350.52 ; D110.B5 410.67,350.52 ; 340.36,85.65 D301.A14 ; D301.A14 339.65,86.36 ; D301.A14 341.07,86.36 ; D301.A14 340.36,87.07 ; D321.B4 242.01,91.44 ; D321.B4 241.3,90.73 ; D321.B4 241.3,92.15 ; D321.B4 240.59,91.44 ; 193.04,377.65 D431.B4 ; D431.B4 192.23,378.46 ; D431.B4 193.85,378.46 ; D431.B4 193.04,379.27 ; D128.A9 33.83,33.02 ; D128.A9 33.02,32.21 ; D128.A9 32.21,33.02 ; D128.A9 33.02,33.83 ; SITE2.G9 330.81,247.93 ; SITE2.G9 329.85,247.93 ; SITE2.G9 330.33,247.45 ; SITE2.G9 330.33,248.41 ; 311.71,63.5 D302.A3 ; D302.A3 312.42,62.79 ; D302.A3 312.42,64.21 ; D302.A3 313.13,63.5 ; D231.B13 170.99,370.84 ; D231.B13 170.18,371.65 ; D231.B13 169.37,370.84 ; D231.B13 170.18,370.03 ; D113.B12 320.04,328.47 ; D113.B12 320.85,327.66 ; D113.B12 320.04,326.85 ; D113.B12 319.23,327.66 ; D128.B9 33.02,38.91 ; D128.B9 33.83,38.1 ; D128.B9 33.02,37.29 ; D128.B9 32.21,38.1 ; UNK3U1.4 98.23,161.85 ; UNK3U1.4 97.29,160.91 ; UNK3U1.4 97.29,162.79 ; UNK3U1.4 96.35,161.85 ; 391.16,32.21 D108.A5 ; D108.A5 390.35,33.02 ; D108.A5 391.97,33.02 ; D108.A5 391.16,33.83 ; 12.7,32.21 D128.A1 ; D128.A1 13.51,33.02 ; D128.A1 12.7,33.83 ; D128.A1 11.89,33.02 ; D124.A9 254,33.83 ; D124.A9 254.81,33.02 ; D124.A9 254,32.21 ; D124.A9 253.19,33.02 ; 340.36,34.75 D104.A14 ; D104.A14 341.17,35.56 ; D104.A14 340.36,36.37 ; D104.A14 339.55,35.56 ; 311.61,391.16 D116.B15 ; D116.B15 312.42,390.35 ; D116.B15 312.42,391.97 ; D116.B15 313.23,391.16 ; 316.69,53.34 D103.A5 ; D103.A5 317.5,54.15 ; D103.A5 317.5,52.53 ; D103.A5 318.31,53.34 ; D127.B5 22.86,59.23 ; D127.B5 22.86,57.61 ; D127.B5 22.05,58.42 ; D127.B5 23.67,58.42 ; D322.B10 257.25,71.12 ; D322.B10 256.54,70.41 ; D322.B10 256.54,71.83 ; D322.B10 255.83,71.12 ; D231.A15 165.91,375.92 ; D231.A15 165.1,375.11 ; D231.A15 165.1,376.73 ; D231.A15 164.29,375.92 ; D301.A4 314.96,87.07 ; D301.A4 315.67,86.36 ; D301.A4 314.96,85.65 ; D301.A4 314.25,86.36 ; 88.09,35.56 D132.A2 ; D132.A2 89.71,35.56 ; D132.A2 88.9,34.75 ; D132.A2 88.9,36.37 ; D111.B3 417.37,370.84 ; D111.B3 415.75,370.84 ; D111.B3 416.56,371.65 ; D111.B3 416.56,370.03 ; DPS8.A15 165.1,416.1 ; DPS8.A15 165.91,415.29 ; DPS8.A15 164.29,415.29 ; DPS8.A15 165.1,414.48 ; 103.33,76.2 D130.A8 ; D130.A8 104.95,76.2 ; D130.A8 104.14,77.01 ; D130.A8 104.14,75.39 ; D125.A4 20.32,97.33 ; D125.A4 20.32,95.71 ; D125.A4 21.13,96.52 ; D125.A4 19.51,96.52 ; 344.63,373.38 D115.A2 ; D115.A2 346.25,373.38 ; D115.A2 345.44,374.19 ; D115.A2 345.44,372.57 ; 105.87,38.1 D132.B9 ; D132.B9 106.68,38.91 ; D132.B9 107.49,38.1 ; D132.B9 106.68,37.29 ; 393.7,60.15 D107.B6 ; D107.B6 393.7,61.77 ; D107.B6 392.89,60.96 ; D107.B6 394.51,60.96 ; 397.97,332.74 D109.A10 ; D109.A10 399.59,332.74 ; D109.A10 398.78,331.93 ; D109.A10 398.78,333.55 ; 22.86,32.21 D128.A5 ; D128.A5 23.67,33.02 ; D128.A5 22.86,33.83 ; D128.A5 22.05,33.02 ; 170.18,62.79 D318.A5 ; D318.A5 170.18,64.21 ; D318.A5 169.47,63.5 ; D318.A5 170.89,63.5 ; 250.33,180.85 SITE3.G3 ; SITE3.G3 250.33,181.81 ; SITE3.G3 249.85,181.33 ; SITE3.G3 250.81,181.33 ; 93.98,34.75 D132.A4 ; D132.A4 93.98,36.37 ; D132.A4 93.17,35.56 ; D132.A4 94.79,35.56 ; 337.11,88.9 D301.B13 ; D301.B13 338.53,88.9 ; D301.B13 337.82,89.61 ; D301.B13 337.82,88.19 ; 400.51,330.2 D109.B9 ; D109.B9 401.32,329.39 ; D109.B9 401.32,331.01 ; D109.B9 402.13,330.2 ; D104.A1 308.15,33.02 ; D104.A1 307.34,33.83 ; D104.A1 307.34,32.21 ; D104.A1 306.53,33.02 ; D231.A3 195.58,376.73 ; D231.A3 195.58,375.11 ; D231.A3 194.77,375.92 ; D231.A3 196.39,375.92 ; 411.48,390.35 D112.B5 ; D112.B5 412.29,391.16 ; D112.B5 410.67,391.16 ; D112.B5 411.48,391.97 ; 250.23,242.35 SITE1.G14 ; SITE1.G14 250.23,243.31 ; SITE1.G14 250.71,242.83 ; SITE1.G14 249.75,242.83 ; D111.A2 419.91,373.38 ; D111.A2 418.29,373.38 ; D111.A2 419.1,372.57 ; D111.A2 419.1,374.19 ; 177.8,70.41 D318.B8 ; D318.B8 177.8,71.83 ; D318.B8 177.09,71.12 ; D318.B8 178.51,71.12 ; 248.92,52.53 D123.A7 ; D123.A7 248.92,54.15 ; D123.A7 249.73,53.34 ; D123.A7 248.11,53.34 ; 235.41,60.96 D123.B2 ; D123.B2 237.03,60.96 ; D123.B2 236.22,61.77 ; D123.B2 236.22,60.15 ; D111.A15 386.89,375.92 ; D111.A15 386.08,376.73 ; D111.A15 386.08,375.11 ; D111.A15 385.27,375.92 ; D301.B5 317.5,89.61 ; D301.B5 316.79,88.9 ; D301.B5 317.5,88.19 ; D301.B5 318.21,88.9 ; 38.1,93.17 D125.A11 ; D125.A11 38.1,94.79 ; D125.A11 37.29,93.98 ; D125.A11 38.91,93.98 ; 12.7,93.17 D125.A1 ; D125.A1 12.7,94.79 ; D125.A1 11.89,93.98 ; D125.A1 13.51,93.98 ; SITE1.G11 252.81,247.93 ; SITE1.G11 251.85,247.93 ; SITE1.G11 252.33,248.41 ; SITE1.G11 252.33,247.45 ; 309.88,352.25 D114.A16 ; D114.A16 309.88,353.87 ; D114.A16 310.69,353.06 ; D114.A16 309.07,353.06 ; D123.A8 252.27,55.88 ; D123.A8 250.65,55.88 ; D123.A8 251.46,56.69 ; D123.A8 251.46,55.07 ; D302.A2 309.88,66.75 ; D302.A2 309.17,66.04 ; D302.A2 309.88,65.33 ; D302.A2 310.59,66.04 ; 416.56,329.39 D109.B3 ; D109.B3 416.56,331.01 ; D109.B3 415.75,330.2 ; D109.B3 417.37,330.2 ; D301.B7 322.58,89.61 ; D301.B7 323.29,88.9 ; D301.B7 321.87,88.9 ; D301.B7 322.58,88.19 ; 393.7,80.47 D106.B6 ; D106.B6 393.7,82.09 ; D106.B6 394.51,81.28 ; D106.B6 392.89,81.28 ; 253.19,340.36 CSDPS425.C9 ; CSDPS425.C9 254,339.55 ; CSDPS425.C9 254.81,340.36 ; CSDPS425.C9 254,341.17 ; D119.B12 188.77,60.96 ; D119.B12 187.15,60.96 ; D119.B12 187.96,61.77 ; D119.B12 187.96,60.15 ; D114.A15 313.23,355.6 ; D114.A15 312.42,356.41 ; D114.A15 311.61,355.6 ; D114.A15 312.42,354.79 ; D321.A15 269.24,84.53 ; D321.A15 269.95,83.82 ; D321.A15 268.53,83.82 ; D321.A15 269.24,83.11 ; 269.24,329.39 CSDPS225.C3 ; CSDPS225.C3 268.43,330.2 ; CSDPS225.C3 269.24,331.01 ; CSDPS225.C3 270.05,330.2 ; CSDPS229.C9 181.15,330.2 ; CSDPS229.C9 179.53,330.2 ; CSDPS229.C9 180.34,329.39 ; CSDPS229.C9 180.34,331.01 ; D103.B12 336.09,60.96 ; D103.B12 334.47,60.96 ; D103.B12 335.28,60.15 ; D103.B12 335.28,61.77 ; 398.78,372.57 D111.A10 ; D111.A10 399.59,373.38 ; D111.A10 398.78,374.19 ; D111.A10 397.97,373.38 ; CSDPS429.C1 200.66,341.17 ; CSDPS429.C1 200.66,339.55 ; CSDPS429.C1 201.47,340.36 ; CSDPS429.C1 199.85,340.36 ; D112.B6 409.75,388.62 ; D112.B6 408.13,388.62 ; D112.B6 408.94,387.81 ; D112.B6 408.94,389.43 ; 116.03,38.1 D132.B13 ; D132.B13 116.84,37.29 ; D132.B13 117.65,38.1 ; D132.B13 116.84,38.91 ; 329.03,182.35 SITE4.G13 ; SITE4.G13 329.03,183.31 ; SITE4.G13 328.55,182.83 ; SITE4.G13 329.51,182.83 ; D318.A12 188.67,66.04 ; D318.A12 187.25,66.04 ; D318.A12 187.96,65.33 ; D318.A12 187.96,66.75 ; DPS3.A11 259.08,14.78 ; DPS3.A11 259.08,13.16 ; DPS3.A11 259.89,13.97 ; DPS3.A11 258.27,13.97 ; 33.02,93.17 D125.A9 ; D125.A9 33.02,94.79 ; D125.A9 32.21,93.98 ; D125.A9 33.83,93.98 ; 194.77,33.02 D120.A15 ; D120.A15 195.58,33.83 ; D120.A15 196.39,33.02 ; D120.A15 195.58,32.21 ; 86.36,37.29 D132.B1 ; D132.B1 86.36,38.91 ; D132.B1 87.17,38.1 ; D132.B1 85.55,38.1 ; D122.B12 261.62,82.09 ; D122.B12 262.43,81.28 ; D122.B12 261.62,80.47 ; D122.B12 260.81,81.28 ; D301.B16 346.15,91.44 ; D301.B16 345.44,90.73 ; D301.B16 345.44,92.15 ; D301.B16 344.73,91.44 ; 195.58,339.55 CSDPS429.C3 ; CSDPS429.C3 194.77,340.36 ; CSDPS429.C3 196.39,340.36 ; CSDPS429.C3 195.58,341.17 ; D132.B5 96.52,38.91 ; D132.B5 95.71,38.1 ; D132.B5 97.33,38.1 ; D132.B5 96.52,37.29 ; 269.24,37.29 D124.B15 ; D124.B15 268.43,38.1 ; D124.B15 270.05,38.1 ; D124.B15 269.24,38.91 ; 165.1,380.19 D431.B15 ; D431.B15 164.29,381 ; D431.B15 165.91,381 ; D431.B15 165.1,381.81 ; 251.46,65.33 D322.A8 